# Altium PCB PCB.PcbDoc (part 1 of 2)
Units mm, origin at the board's own origin, x right, y up, seen from the top; angles counter-clockwise.
Board outline 303.55 x 94.72 mm, 2 copper layers (Top Layer, Bottom Layer), stack 1.57 mm thick; 199 components, 122 nets, 721 pads, 155 vias.
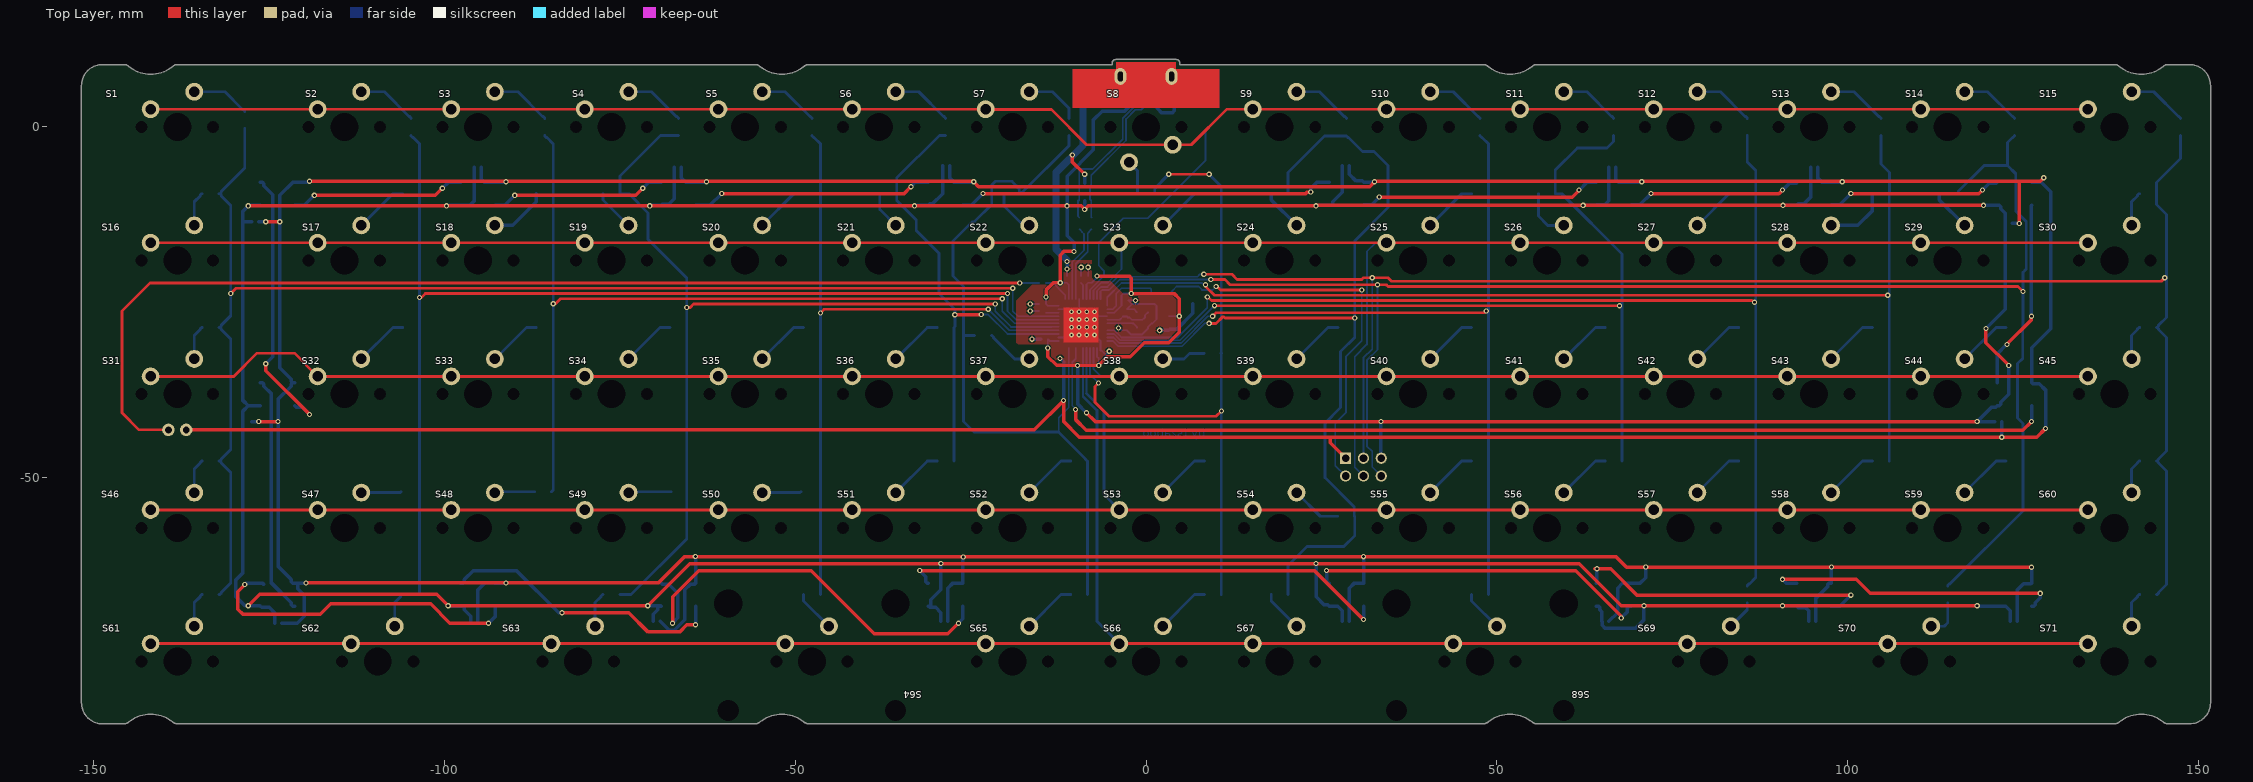
[diagram p0: Top Layer view]
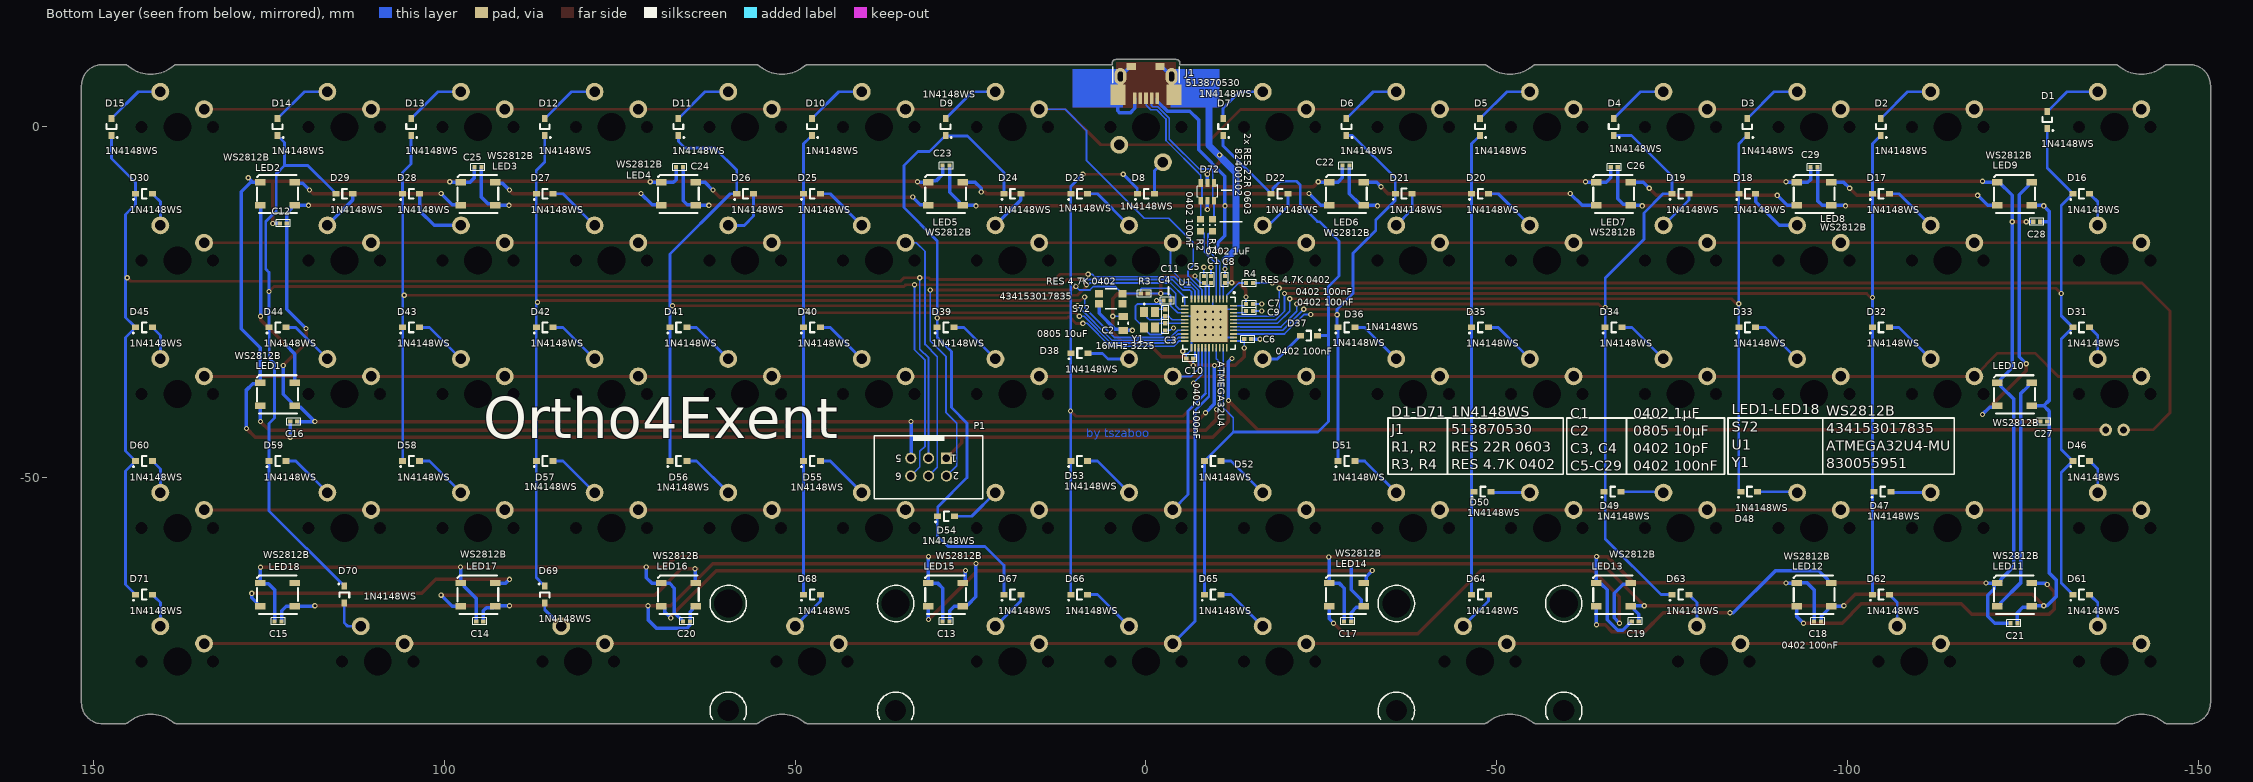
[diagram p1: Bottom Layer view, seen from below]
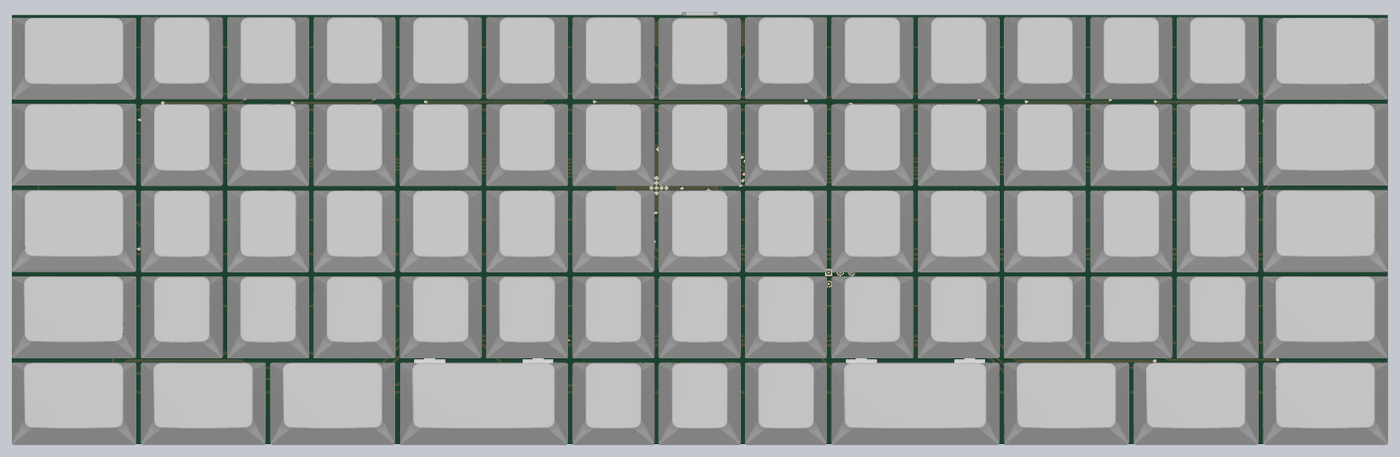
[diagram p3: 3D render of the assembled board from above, using the file's embedded part models]
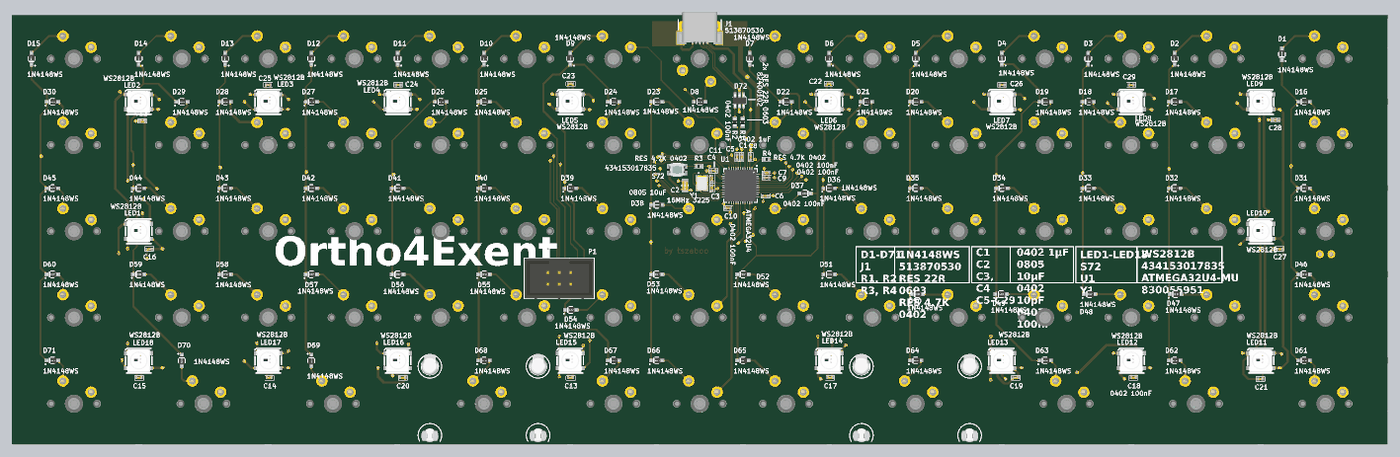
[diagram p4: 3D render of the assembled board from below, using the file's embedded part models]

## Layer stack, top to bottom
Top Solder: solder mask 0.0102, Solder Resist, Dk 3.5
Top Layer: signal copper 0.0356
Dielectric 1: core 1.4986, Core-043, Dk 4.3
Bottom Layer: signal copper 0.0356
Bottom Solder: solder mask 0.0102, Solder Resist, Dk 3.5

## Board outline
-148.775,-85.097 -145.718,-85.097 -145.718,-85.098 ccw(c-145.718,-84.098) -145.083,-84.87 cw(c-141.905,-88.73) -138.727,-84.87 ccw(c-138.092,-84.098) -138.092,-85.098 -138.092,-85.097 -55.718,-85.097 -55.718,-85.098 ccw(c-55.718,-84.098) -55.083,-84.87 cw(c-51.905,-88.73) -48.727,-84.87 ccw(c-48.092,-84.098) -48.092,-85.098 -48.092,-85.097 48.092,-85.097 48.092,-85.098 ccw(c48.092,-84.098) 48.727,-84.87 cw(c51.905,-88.73) 55.083,-84.87 ccw(c55.718,-84.098) 55.718,-85.098 55.718,-85.097 138.092,-85.097 138.092,-85.098 ccw(c138.092,-84.098) 138.727,-84.87 cw(c141.905,-88.73) 145.083,-84.87 ccw(c145.718,-84.098) 145.718,-85.098 145.718,-85.097 148.775,-85.097 ccw(c148.775,-82.097) 151.775,-82.097 151.775,-82.098 151.775,5.9 ccw(c148.775,5.9) 148.775,8.9 145.721,8.9 ccw(c145.721,7.9) 145.085,8.672 cw(c141.905,12.53) 138.725,8.672 ccw(c138.089,7.9) 138.089,8.9 55.721,8.9 ccw(c55.721,7.9) 55.085,8.672 cw(c51.905,12.53) 48.725,8.672 ccw(c48.089,7.9) 48.089,8.9 4.825,8.9 4.825,9.12 ccw(c4.325,9.12) 4.325,9.62 -4.325,9.62 ccw(c-4.325,9.12) -4.825,9.12 -4.825,8.9 -48.089,8.9 ccw(c-48.089,7.9) -48.725,8.672 cw(c-51.905,12.53) -55.085,8.672 ccw(c-55.721,7.9) -55.721,8.9 -138.089,8.9 ccw(c-138.089,7.9) -138.725,8.672 cw(c-141.905,12.53) -145.085,8.672 ccw(c-145.721,7.9) -145.721,8.9 -148.775,8.9 ccw(c-148.775,5.9) -151.775,5.9 -151.775,-82.097 ccw(c-148.775,-82.097)

## Design rules (kind name [scope] priority, off if disabled: settings)
BoardOutlineClearance [All] p1: gap=0.25 ignorepadtopadclearanceinfootprint=FALSE except(0: Arc-SplitContinuation Track-SplitContinuation SMDPad-SplitContinuation THPad-SplitContinuation Via-SplitContinuation Fill-SplitContinuation Poly-SplitContinuation Region-SplitContinuation Text-SplitContinuation)
Clearance Clearance-xPP-xTP-xTT [All] p1: gap=0.15 ignorepadtopadclearanceinfootprint=FALSE except(0: Arc-Hole Track-Hole SMDPad-Hole THPad-Hole Via-Hole Fill-Hole Poly-Hole Region-Hole Text-Hole)
ComponentClearance [All] p1: gap=0.25 collisioncheckmode=3 verticalgap=0.25 showdistances=FALSE
DiffPairsRouting [All] p1: maxlimit=0.25 minlimit=0.25 mostfreqgap=0.25 toplayer_minwidth=0.15 toplayer_maxwidth=0.381 toplayer_prefwidth=0.381 bottomlayer_minwidth=0.15 bottomlayer_maxwidth=0.381 bottomlayer_prefwidth=0.381 maxuncoupledlength=12.5
Height [All] p1: minheight=0 maxheight=25 prefheight=12.5
HoleSize HoleSize-PTH [All] p1: absolutevalues=TRUE maxlimit=10 minlimit=0.25 maxpercent=80.000 minpercent=20.000
HoleToHoleClearance [All] p1: gap=0.35 allowstackedmicrovias=TRUE
MinimumAnnularRing "Minimum IAR  >0.45mm" [((ObjectKind = 'Pad') OR (ObjectKind = 'Via')) And (Layer = 'MultiLayer') And (HoleDiameter > AsMM(0.45))] p1: minimumring=0.175 // minimum inner annular ring for pads > 0.45mm finished hole size
MinimumAnnularRing "Minimum IAR <=0.45mm" [((ObjectKind = 'Pad') OR (ObjectKind = 'Via')) And (Layer = 'MultiLayer') And (HoleDiameter <= AsMM(0.45))] p2: minimumring=0.175 // minimum inner annular ring for pads <= 0.45mm finished hole size
MinimumSolderMaskSliver [All] p1 off: minsoldermaskwidth=0.08
PlaneClearance PlaneClearance-IPI [All] p1: clearance=0.25
PlaneConnect [All] p1: planeconnectstyle=Relief reliefexpansion=0.175 reliefentries=4 reliefconductorwidth=0.2 reliefairgap=0.2
PolygonConnect PolygonConnect-xTW [All] p1: connectstyle=Relief reliefconductorwidth=0.2 reliefentries=4 polygonreliefangle="90 Angle" airgapwidth=0.2
RoomDefinition Underglow [InComponentClass('Underglow')] p1 off: confinementstyle=ConfineIn formatcopy=TRUE lockcomponents=FALSE outline -180.399,-113.779 -129.599,-113.779 -129.599,-88.379 -180.399,-88.379
RoomDefinition MCU [InComponentClass('MCU')] p2 off: confinementstyle=ConfineIn formatcopy=TRUE lockcomponents=FALSE outline 152.901,-83.679 160.001,-83.679 160.001,-80.379 152.901,-80.379
RoomDefinition Matrix [InComponentClass('Matrix')] p3 off: confinementstyle=ConfineIn formatcopy=TRUE lockcomponents=FALSE outline -180.399,-113.779 -129.599,-113.779 -129.599,-88.379 -180.399,-88.379
RoutingCorners [All] p1: cornerstyle=45-Degree minsetback=2.5 maxsetback=2.5
RoutingVias "RoutingVias > 0.45mm" [(ObjectKind = 'Via') And (HoleDiameter > AsMM(0.45))] p1: holewidth=0.5 width=0.85 viastyle="Through Hole" minholewidth=0.5 minwidth=0.85 maxholewidth=0.9 maxwidth=1.25 // finishet hole size > 0.45mm
RoutingVias "RoutingVias <= 0.45mm" [(ObjectKind = 'Via') And (HoleDiameter <= AsMM(0.45))] p2: holewidth=0.3 width=0.65 viastyle="Through Hole" minholewidth=0.25 minwidth=0.6 maxholewidth=0.45 maxwidth=0.8 // finishet hole size <= 0.45mm
SilkToSilkClearance [All] p1 off: silktosilkclearance=0.2
SilkToSolderMaskClearance SilkscreenOverComponentPads [IsPad] p1 off: minsilkscreentomaskgap=0.2 clearancetoexposedcopper=TRUE
SolderMaskExpansion SolderMaskExpansion_1 [All] p1: expansion=0.1 istentingtop=FALSE
UnRoutedNet [All] p1: checkbadconnections=TRUE
Width Width-xTW [All] p1: maxlimit=1.5 minlimit=0.15 preferedwidth=0.2
18 further rules are at their usual default settings.

## Classes and differential pairs
component class MCU: C1 C2 C3 C4 C5 C6 C7 C8 C9 C10 C11 D72 J1 P1 R1 R2 R3 R4 S72 U1 Y1
component class Underglow: C12 C13 C14 C15 C16 C17 C18 C19 C20 C21 C22 C23 C24 C25 C26 C27 C28 C29 LED1 LED2 LED3 LED4 LED5 LED6 LED7 LED8 LED9 LED10 LED11 LED12 LED13 LED14 LED15 LED16 LED17 LED18
component class Matrix: D1 D2 D3 D4 D5 D6 D7 D8 D9 D10 D11 D12 D13 D14 D15 D16 D17 D18 D19 D20 D21 D22 D23 D24 D25 D26 D27 D28 D29 D30 D31 D32 D33 D34 D35 D36 D37 D38 D39 D40 D41 D42 D43 D44 D45 D46 D47 D48 D49 D50 D51 D52 D53 D54 D55 D56 D57 D58 D59 D60 D61 D62 D63 D64 D65 D66 D67 D68 D69 D70 D71 S1 S2 S3 S4 S5 S6 S7 S8 S9 S10 S11 S12 S13 S14 S15 S16 S17 S18 S19 S20 S21 S22 S23 S24 S25 S26 S27 S28 S29 S30 S31 S32 S33 S34 S35 S36 S37 S38 S39 S40 S41 S42 S43 S44 S45 S46 S47 S48 S49 S50 S51 S52 S53 S54 S55 S57 S58 S59 S60 S61 S62 S63 S64 S65 S66 S67 S68 S69 S70 S71
differential pair USB2: +USB2_P -USB2_N

## Components (designator, comment, footprint, x,y, rotation, side; value= is the part's Value field where it differs from the comment)
C1 "0402 1uF" CAPC0402N -9.25,-21.75 r270 bottom value="1 µF"
C2 "0805 10uF" CAPC0805N 3.25,-28 r90 bottom value="10 µF"
C3 "0402 10pF" CAPC0402N -2.75,-28.5 r90 bottom value="10 pF"
C4 "0402 10pF" CAPC0402N -2.75,-26.5 r270 bottom value="10 pF"
C5 "0402 100nF" CAPC0402N -8.25,-21.75 r270 bottom value="100 nF"
C6 "0402 100nF" CAPC0402N -14.5,-30.25 r0 bottom value="100 nF"
C7 "0402 100nF" CAPC0402N -14.75,-25.25 r0 bottom value="100 nF"
C8 "0402 100nF" CAPC0402N -11.25,-21.75 r270 bottom value="100 nF"
C9 "0402 100nF" CAPC0402N -14.75,-26.25 r0 bottom value="100 nF"
C10 "0402 100nF" CAPC0402N -6.25,-33 r180 bottom value="100 nF"
C11 "0402 100nF" CAPC0402N -3,-24.75 r180 bottom value="100 nF"
C12 "0402 100nF" CAPC0402N 123,-13.75 r180 bottom value="100 nF"
C13 "0402 100nF" CAPC0402N 28.5,-70.5 r180 bottom value="100 nF"
C14 "0402 100nF" CAPC0402N 95,-70.5 r180 bottom value="100 nF"
C15 "0402 100nF" CAPC0402N 123.75,-70.5 r180 bottom value="100 nF"
C16 "0402 100nF" CAPC0402N 121.5,-42 r180 bottom value="100 nF"
C17 "0402 100nF" CAPC0402N -28.75,-70.5 r180 bottom value="100 nF"
C18 "0402 100nF" CAPC0402N -95.75,-70.5 r180 bottom value="100 nF"
C19 "0402 100nF" CAPC0402N -69.75,-70.5 r180 bottom value="100 nF"
C20 "0402 100nF" CAPC0402N 65.5,-70.5 r180 bottom value="100 nF"
C21 "0402 100nF" CAPC0402N -123.75,-70.75 r180 bottom value="100 nF"
C22 "0402 100nF" CAPC0402N -28.5,-5.5 r180 bottom value="100 nF"
C23 "0402 100nF" CAPC0402N 28.5,-5.5 r180 bottom value="100 nF"
C24 "0402 100nF" CAPC0402N 66.5,-5.75 r180 bottom value="100 nF"
C25 "0402 100nF" CAPC0402N 95.25,-5.75 r180 bottom value="100 nF"
C26 "0402 100nF" CAPC0402N -66.75,-5.75 r180 bottom value="100 nF"
C27 "0402 100nF" CAPC0402N -128,-42 r180 bottom value="100 nF"
C28 "0402 100nF" CAPC0402N -127,-13.5 r180 bottom value="100 nF"
C29 "0402 100nF" CAPC0402N -95.25,-5.75 r180 bottom value="100 nF"
D1 "1N4148WS" SOD323FL -128.5,1 r270 bottom
D2 "1N4148WS" SOD323FL -104.775,0 r270 bottom
D3 "1N4148WS" SOD323FL -85.725,0 r270 bottom
D4 "1N4148WS" SOD323FL -66.675,0 r270 bottom
D5 "1N4148WS" SOD323FL -47.625,0 r270 bottom
D6 "1N4148WS" SOD323FL -28.575,0 r270 bottom
D7 "1N4148WS" SOD323FL -11,0 r270 bottom
D8 "1N4148WS" SOD323FL 0,-9.525 r0 bottom
D9 "1N4148WS" SOD323FL 28.575,0 r270 bottom
D10 "1N4148WS" SOD323FL 47.625,0 r270 bottom
D11 "1N4148WS" SOD323FL 66.675,0 r270 bottom
D12 "1N4148WS" SOD323FL 85.725,0 r270 bottom
D13 "1N4148WS" SOD323FL 104.775,0 r270 bottom
D14 "1N4148WS" SOD323FL 123.825,0 r270 bottom
D15 "1N4148WS" SOD323FL 147.5,0 r270 bottom
D16 "1N4148WS" SOD323FL -133.35,-9.525 r0 bottom
D17 "1N4148WS" SOD323FL -104.775,-9.525 r0 bottom
D18 "1N4148WS" SOD323FL -85.725,-9.525 r0 bottom
D19 "1N4148WS" SOD323FL -76.2,-9.525 r0 bottom
D20 "1N4148WS" SOD323FL -47.625,-9.525 r0 bottom
D21 "1N4148WS" SOD323FL -36.75,-9.5 r0 bottom
D22 "1N4148WS" SOD323FL -19.05,-9.525 r0 bottom
D23 "1N4148WS" SOD323FL 9.525,-9.525 r0 bottom
D24 "1N4148WS" SOD323FL 19.05,-9.525 r0 bottom
D25 "1N4148WS" SOD323FL 47.625,-9.525 r0 bottom
D26 "1N4148WS" SOD323FL 57.15,-9.525 r0 bottom
D27 "1N4148WS" SOD323FL 85.725,-9.525 r0 bottom
D28 "1N4148WS" SOD323FL 104.775,-9.525 r0 bottom
D29 "1N4148WS" SOD323FL 114.3,-9.525 r0 bottom
D30 "1N4148WS" SOD323FL 142.875,-9.525 r0 bottom
D31 "1N4148WS" SOD323FL -133.35,-28.575 r0 bottom
D32 "1N4148WS" SOD323FL -104.775,-28.575 r0 bottom
D33 "1N4148WS" SOD323FL -85.725,-28.575 r0 bottom
D34 "1N4148WS" SOD323FL -66.675,-28.575 r0 bottom
D35 "1N4148WS" SOD323FL -47.625,-28.575 r0 bottom
D36 "1N4148WS" SOD323FL -28.575,-28.575 r0 bottom
D37 "1N4148WS" SOD323FL -23.25,-29.75 r180 bottom
D38 "1N4148WS" SOD323FL 9.5,-32.25 r0 bottom
D39 "1N4148WS" SOD323FL 28.575,-28.575 r0 bottom
D40 "1N4148WS" SOD323FL 47.625,-28.575 r0 bottom
D41 "1N4148WS" SOD323FL 66.675,-28.575 r0 bottom
D42 "1N4148WS" SOD323FL 85.725,-28.575 r0 bottom
D43 "1N4148WS" SOD323FL 104.775,-28.575 r0 bottom
D44 "1N4148WS" SOD323FL 123.825,-28.575 r0 bottom
D45 "1N4148WS" SOD323FL 142.875,-28.575 r0 bottom
D46 "1N4148WS" SOD323FL -133.35,-47.625 r0 bottom
D47 "1N4148WS" SOD323FL -105,-52 r0 bottom
D48 "1N4148WS" SOD323FL -86,-52 r0 bottom
D49 "1N4148WS" SOD323FL -66.5,-52 r0 bottom
D50 "1N4148WS" SOD323FL -48,-52 r0 bottom
D51 "1N4148WS" SOD323FL -28.575,-47.625 r0 bottom
D52 "1N4148WS" SOD323FL -9.525,-47.625 r0 bottom
D53 "1N4148WS" SOD323FL 9.525,-47.625 r0 bottom
D54 "1N4148WS" SOD323FL 28.5,-55.5 r0 bottom
D55 "1N4148WS" SOD323FL 47.625,-47.625 r0 bottom
D56 "1N4148WS" SOD323FL 66.675,-47.625 r0 bottom
D57 "1N4148WS" SOD323FL 85.725,-47.625 r0 bottom
D58 "1N4148WS" SOD323FL 104.775,-47.625 r0 bottom
D59 "1N4148WS" SOD323FL 123.825,-47.625 r0 bottom
D60 "1N4148WS" SOD323FL 142.875,-47.625 r0 bottom
D61 "1N4148WS" SOD323FL -133.35,-66.675 r0 bottom
D62 "1N4148WS" SOD323FL -104.775,-66.675 r0 bottom
D63 "1N4148WS" SOD323FL -76.2,-66.675 r0 bottom
D64 "1N4148WS" SOD323FL -47.625,-66.675 r0 bottom
D65 "1N4148WS" SOD323FL -9.525,-66.675 r0 bottom
D66 "1N4148WS" SOD323FL 9.525,-66.675 r0 bottom
D67 "1N4148WS" SOD323FL 19.05,-66.675 r0 bottom
D68 "1N4148WS" SOD323FL 47.625,-66.675 r0 bottom
D69 "1N4148WS" SOD323FL 85.725,-66.675 r90 bottom
D70 "1N4148WS" SOD323FL 114.3,-66.675 r90 bottom
D71 "1N4148WS" SOD323FL 142.875,-66.675 r0 bottom
D72 "82400102" SOT23-6L -8.75,-9.25 r0 bottom
J1 "513870530" 513870530 0,9.6 r180 bottom
LED1 "WS2812B" WS2812 123.825,-38.1 r0 bottom
LED2 "WS2812B" WS2812 123.825,-9.525 r0 bottom
LED3 "WS2812B" WS2812 95.25,-9.525 r0 bottom
LED4 "WS2812B" WS2812 66.675,-9.525 r0 bottom
LED5 "WS2812B" WS2812 28.575,-9.525 r0 bottom
LED6 "WS2812B" WS2812 -28.575,-9.525 r0 bottom
LED7 "WS2812B" WS2812 -66.675,-9.525 r0 bottom
LED8 "WS2812B" WS2812 -95.25,-9.525 r0 bottom
LED9 "WS2812B" WS2812 -123.825,-9.525 r0 bottom
LED10 "WS2812B" WS2812 -123.825,-38.1 r0 bottom
LED11 "WS2812B" WS2812 -123.825,-66.675 r0 bottom
LED12 "WS2812B" WS2812 -95.25,-66.675 r0 bottom
LED13 "WS2812B" WS2812 -66.675,-66.675 r0 bottom
LED14 "WS2812B" WS2812 -28.575,-66.675 r0 bottom
LED15 "WS2812B" WS2812 28.575,-66.675 r0 bottom
LED16 "WS2812B" WS2812 66.675,-66.675 r0 bottom
LED17 "WS2812B" WS2812 95.25,-66.675 r0 bottom
LED18 "WS2812B" WS2812 123.825,-66.675 r0 bottom
P1 "61200621621" 61200621621 31,-48.5 r0 bottom
R1 "2x RES 22R 0603" RESC0603N -9.5,-14 r270 bottom value=22R
R2 "RES 22R 0603" RESC0603N -7.75,-14 r270 bottom value=22R
R3 "RES 4.7K 0402" RESC0402N 0.25,-23.75 r180 bottom value=4.7K
R4 "RES 4.7K 0402" RESC0402N -14.75,-22.25 r180 bottom value=4.7K
S1 "R2-1.5" "R2-1.5 NOLED" -138.112,0 r0 top locked
S2 "R1" "R1 NOLED" -114.3,0 r0 top locked
S3 "R1" "R1 NOLED" -95.25,0 r0 top
S4 "R1" "R1 NOLED" -76.2,0 r0 top
S5 "R1" "R1 NOLED" -57.15,0 r0 top
S6 "R1" "R1 NOLED" -38.1,0 r0 top
S7 "R1" "R1 NOLED" -19.05,0 r0 top locked
S8 "R1" "R1-1 NOLED 180" 0,0 r180 top locked
S9 "R1" "R1 NOLED" 19.05,0 r0 top
S10 "R1" "R1 NOLED" 38.1,0 r0 top
S11 "R1" "R1 NOLED" 57.15,0 r0 top
S12 "R1" "R1 NOLED" 76.2,0 r0 top
S13 "R1" "R1 NOLED" 95.25,0 r0 top
S14 "R1" "R1 NOLED" 114.3,0 r0 top
S15 "R2-1.5" "R2-1.5 NOLED" 138.112,0 r0 top
S16 "R2-1.5" "R2-1.5 NOLED" -138.112,-19.05 r0 top locked
S17 "R2-1" "R2-1 NOLED" -114.3,-19.05 r0 top locked
S18 "R2-1" "R2-1 NOLED" -95.25,-19.05 r0 top
S19 "R2-1" "R2-1 NOLED" -76.2,-19.05 r0 top
S20 "R2-1" "R2-1 NOLED" -57.15,-19.05 r0 top
S21 "R2-1" "R2-1 NOLED" -38.1,-19.05 r0 top
S22 "R2-1" "R2-1 NOLED" -19.05,-19.05 r0 top locked
S23 "R2-1" "R2-1 NOLED" 0,-19.05 r0 top locked
S24 "R2-1" "R2-1 NOLED" 19.05,-19.05 r0 top
S25 "R2-1" "R2-1 NOLED" 38.1,-19.05 r0 top
S26 "R2-1" "R2-1 NOLED" 57.15,-19.05 r0 top
S27 "R2-1" "R2-1 NOLED" 76.2,-19.05 r0 top
S28 "R2-1" "R2-1 NOLED" 95.25,-19.05 r0 top
S29 "R2-1" "R2-1 NOLED" 114.3,-19.05 r0 top locked
S30 "R2-1.5" "R2-1.5 NOLED" 138.112,-19.05 r0 top locked
S31 "R3-1.5" R3-1.5 -138.112,-38.1 r0 top locked
S32 "R3-1" "R3-1 NOLED" -114.3,-38.1 r0 top locked
S33 "R3-1" "R3-1 NOLED" -95.25,-38.1 r0 top locked
S34 "R3-1" "R3-1 NOLED" -76.2,-38.1 r0 top
S35 "R3-1" "R3-1 NOLED" -57.15,-38.1 r0 top locked
S36 "R3-1" "R3-1 NOLED" -38.1,-38.1 r0 top locked
S37 "R3-1" "R3-1 NOLED" -19.05,-38.1 r0 top locked
S38 "R3-1" "R3-1 NOLED" 0,-38.1 r0 top locked